# Altium PCB IoT_Greenhouse V1.0 A.PcbDoc (part 2 of 2)
Units mm, origin at the board's own origin, x right, y up, seen from the top; angles counter-clockwise.
Board outline 130 x 80 mm, 2 copper layers (Top Layer, Bottom Layer), stack 1.569 mm thick; 104 components, 51 nets, 380 pads, 257 vias.
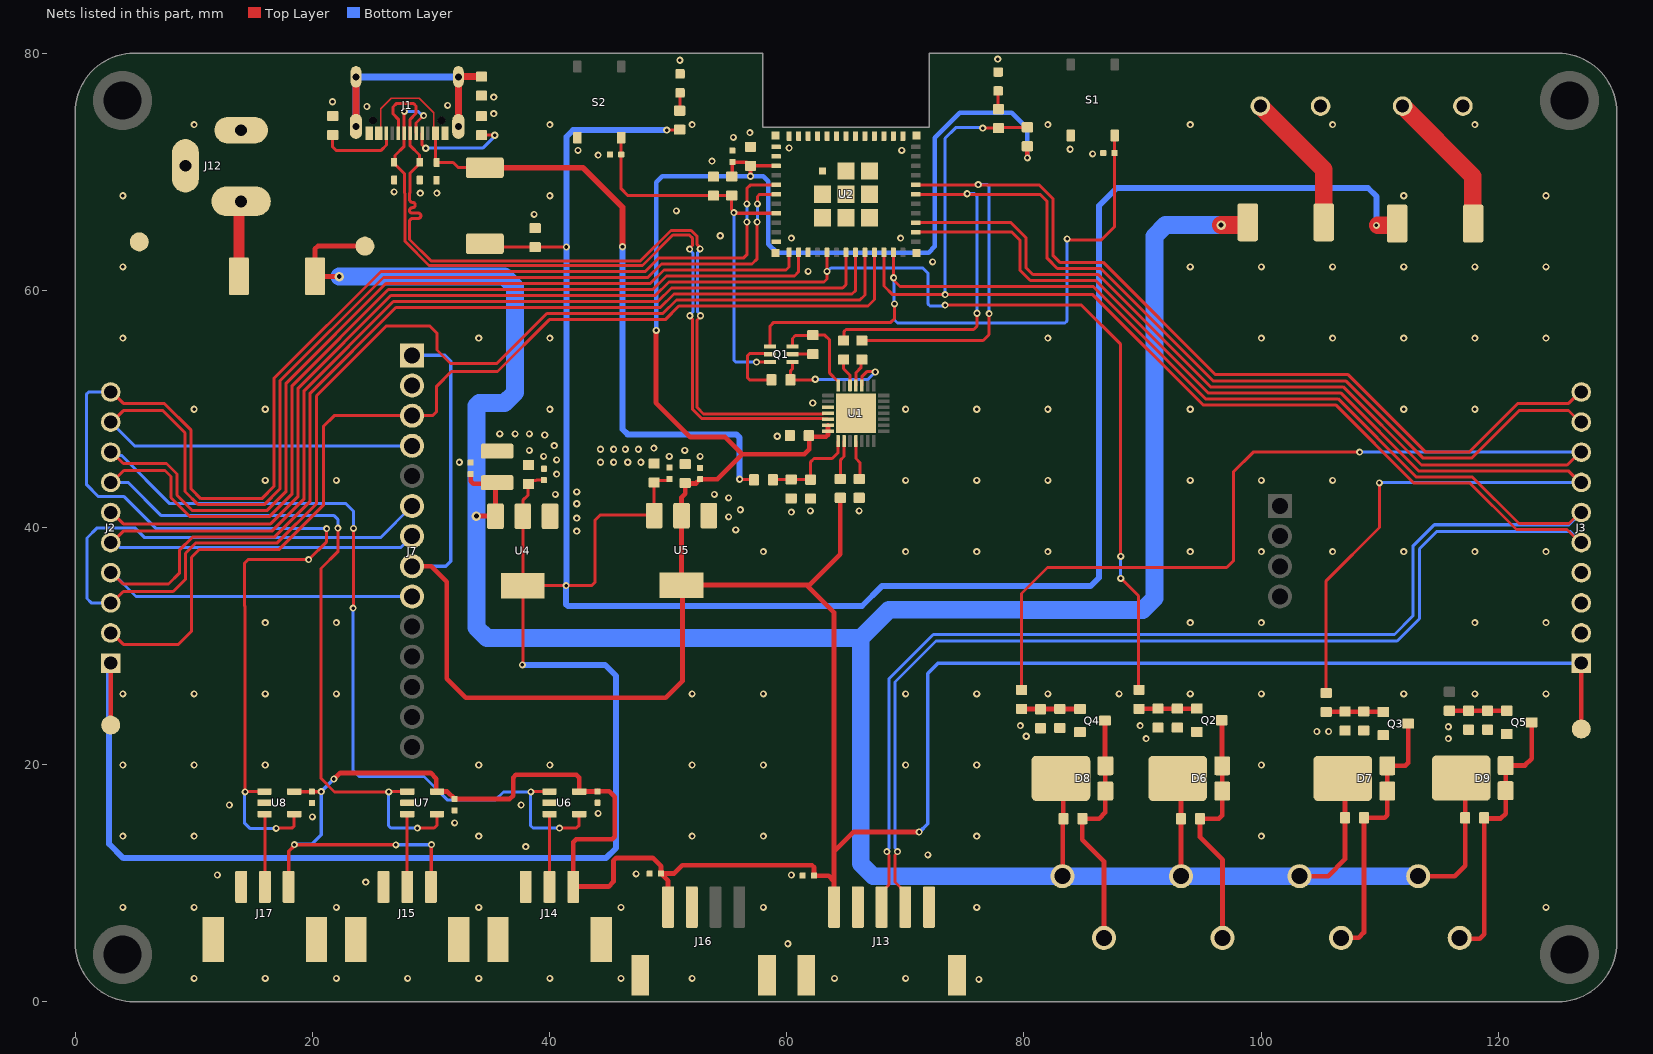
[diagram p2: the nets of this part, all layers, seen from the top]

## Via types
v1: diameter 0.6, hole 0.3, Top Layer to Bottom Layer, tented both sides, 254 vias
v2: diameter 0.8, hole 0.4, Top Layer to Bottom Layer, tented both sides, 3 vias

## Nets (pads, with @x,y where several pads share a name; then routed paths per layer and width w, separated by ;. In a path a pad name is that pad's centre, name@x,y a point inside that pad or via, vN(x,y) a via of type N, cw(c..) or ccw(c..) an arc to the next point about the centre after c; other vN are vias at no path point)
3V3: C2.2 C5.2 C6.2 C23.2 C24.2 C25.2 C26.2 C27.2 C28.2 C29.2 J3.1 J7.1 J7.8 J13.1 J14.1 J15.1 J16.1 J17.1 R10.2 R13.1 R14.1 TP3.1 U1.6 U1.7 U2.3 U5.2 U5.4 U6.5 U7.5 U8.5 | length 400.7
  Top Layer w0.3: J17.1@18,9.7 18,12.689 18.491,13.181 v1(18.491,13.259) v1@27.102,13.259 ; U8.5@18.49,17.758 U8.5@18.471,17.739 18.478,17.733 19.958,17.733 19.963,17.728 20.751,17.728 v1(20.752,17.729) ; J15.1@30,9.7 30.024,9.724 30.024,13.235 v1(30.048,13.259) ; R13.1@55.474,69.698 55.423,69.748 C6.2@55.423,70.818 56.577,70.818 56.947,70.448 v1(56.947,69.621) ; C5.2@57.136,70.499 59.099,70.499 U2.3@59.1,70.5
  Top Layer w0.4: v1(21.819,18.796) 21.863,18.796 22.371,19.304 29.972,19.304 30.455,18.821 30.455,17.796 30.514,17.737 31.384,17.737 C26.2@32.004,17.117 ; J7.8@28.41,36.73 30.021,36.73 31.344,35.408 31.344,27.254 32.944,25.654 49.809,25.654 51.206,27.051 51.206,35.073 U5.4@51.13,35.15 ; C26.2@32.029,17.063 32.029,17.088 32.058,17.117 36.65,17.117 36.932,17.399 36.932,18.917 37.166,19.152 42.265,19.152 42.5,18.917 U6.5@42.5,17.746 ; J14.1@42,9.7 42,13.482 42.234,13.716 45.288,13.716 45.491,13.919 45.491,17.297 45.037,17.752 44.066,17.752 C25.2@44.044,17.729 ; J14.1@42.113,9.728 44.983,9.728 45.39,10.135 45.39,11.907 45.624,12.141 48.692,12.141 49.4,11.433 C29.2@49.4,10.82 50,10.221 J16.1@50,8 ; U6.5@42.5,17.739 U6.5@42.5,17.746 ; C25.2@44.044,17.805 43.984,17.746 U6.5@42.5,17.746 ; v1@48.971,56.642 48.971,50.521 51.867,47.625 54.813,47.625 56.261,46.177 ; C29.2@49.479,10.795 49.504,10.82 50.495,10.82 51.206,11.532 62.128,11.532 62.304,11.356 C27.2@62.304,10.643 63.525,10.643 63.983,10.185 ; C24.2@51.435,43.586 51.435,42.85 51.13,42.545 U5.2@51.13,41 U5.4@51.13,35.15 ; C24.2@51.486,43.713 52.347,43.713 C23.2@52.705,44.072 54.155,44.072 56.261,46.177 ; C2.2@61.874,47.752 C2.2@61.9,47.727 ; U1.7@63.487,48.132 63.487,47.826 63.311,47.65 61.976,47.65 C2.2@61.9,47.727 ; U1.7@63.487,48.196 U1.6@63.487,48.632 ; J13.1@63.983,8.204 63.983,10.185 ; J13.1@64,8 J13.1@64,8.204 ; R10.2@64.516,42.507 64.516,37.744 61.921,35.15 61.675,35.15 ; v1(71.171,14.326) 65.659,14.326 63.983,12.649 ; v1(80.289,71.171) R14.1@80.289,72.149 ; TP3.1@127,23.012 J3.1@127,28.57 ; U5.4@51.13,35.15 61.675,35.15 ; 56.261,46.177 61.493,46.177 61.9,46.584 C2.2@61.9,47.727 ; 61.675,35.15 63.983,32.842 63.983,12.649 ; 63.983,10.185 63.983,12.649
  Bottom Layer w0.3: v1@18.466,13.284 19.939,13.284 20.752,14.097 v1(20.752,17.729) ; v1@20.803,17.704 20.803,17.78 v1(21.819,18.796) ; v1(27.051,13.233) v1@30.048,13.233 ; J7.8@28.41,36.73 31.244,36.73 31.674,37.16 31.674,54 31.164,54.51 J7.1@28.41,54.51 ; v1@71.196,14.326 71.882,15.011 71.882,27.686 72.766,28.57 J3.1@127,28.57
  Bottom Layer w0.4: v1(48.997,56.617) 48.997,69.113 49.505,69.621 v1(56.947,69.621) 58.014,69.621 58.445,69.19 58.445,63.906 59.182,63.17 71.958,63.17 72.492,63.703 72.492,72.873 74.6,74.981 78.969,74.981 80.289,73.66 v1(80.289,71.171)
5V: C1.2 C19.2 C20.2 C21.2 C22.2 D1.1 D12.1 J2.1 R23.1 TP2.1 U4.2 U4.4 U5.3 | length 286.7
  Top Layer w0.254: D1.1@34.544,63.927 34.831,63.64 C1.2@38.786,63.64 38.792,63.646 41.421,63.646 v1(41.427,63.652) ; U4.2@37.694,40.869 37.744,40.818 U4.4@37.744,35.099 ; v1@37.744,28.362 U4.4@37.744,35.099 ; U4.2@37.744,40.949 37.744,42.291 38.202,42.748 C19.2@38.202,43.764 ; C19.2@38.227,43.675 38.525,43.973 38.868,43.973 38.887,43.993 C20.2@39.472,43.993 ; U5.3@48.743,41.072 44.298,41.072 43.84,40.615 43.84,35.382 43.561,35.103 37.748,35.103 U4.4@37.744,35.099 ; U5.3@48.819,41.072 C21.2@48.819,43.802 ; C21.2@48.844,43.739 49.075,43.97 49.987,43.97 C22.2@50.114,44.097 ; v1(49.886,73.508) 49.905,73.527 50.959,73.527 R23.1@50.978,73.546 ; D12.1@111.332,65.489 D12.1@111.476,65.634
  Top Layer w0.4: TP2.1@2.997,23.343 3,23.345 J2.1@3,28.57
  Top Layer w1.5: v1@109.83,65.489 D12.1@111.332,65.489
  Bottom Layer w0.5: J2.1@2.87,28.702 2.87,13.31 4.064,12.116 44.755,12.116 45.618,12.979 45.618,27.483 44.679,28.423 v1(37.719,28.423) ; v1(49.886,73.508) 41.986,73.508 41.427,72.949 v1(41.427,63.652) 41.415,63.64 41.415,35.116 v1(41.402,35.103) 41.402,33.524 41.551,33.376 66.345,33.376 68.021,35.052 85.623,35.052 86.335,35.763 86.335,67.132 87.833,68.631 109.017,68.631 109.728,67.92 v1(109.728,65.481)
12V: C9.2 C10.2 C11.2 C15.2 C17.2 C18.2 D6.K D7.K D8.K D9.K D10.1 D11.1 J4.1 J5.1 J6.1 J8.1 TP1.1 U4.3 | length 266.5
  Top Layer w0.4: v2(22.276,61.163) 20.248,61.163 D11.1@20.223,61.189 20.223,63.494 20.457,63.729 TP1.1@24.435,63.729 ; C18.2@33.35,44.503 33.35,43.922 33.585,43.688 C17.2@35.484,43.688 ; v2(33.833,40.97) 34.976,40.97 U4.3@35.255,41.25 ; U4.3@35.444,41.25 35.444,43.639 C17.2@35.585,43.78 ; D8.K@83.118,18.845 83.325,18.638 C11.2@83.325,15.443 83.287,15.406 83.287,10.637 J6.1@83.25,10.6 ; D6.K@92.973,18.845 93.256,18.562 C9.2@93.256,15.443 93.253,15.44 93.253,10.603 J4.1@93.25,10.6 ; D10.1@98.649,65.507 D10.1@98.878,65.735 ; J5.1@103.25,10.6 105.647,10.6 107.074,12.027 C10.2@107.074,15.519 107.074,18.664 D7.K@106.892,18.845 ; J8.1@113.25,10.6 116.315,10.6 117.208,11.494 C15.2@117.208,15.519 117.208,18.537 D9.K@116.875,18.87
  Top Layer w1.5: v2(96.622,65.507) D10.1@98.649,65.507
  Bottom Layer w1.5: v2(22.276,61.163) 36.205,61.163 37.084,60.285 37.084,51.374 36.205,50.495 34.067,50.495 33.833,50.261 v2(33.833,40.97) 33.833,31.572 34.722,30.683 66.243,30.683 ; 79.883,33.045 90.018,33.045 91.008,34.036 91.008,64.567 91.948,65.507 v2(96.622,65.507) ; 79.934,33.071 68.631,33.071 66.243,30.683 ; J6.1@83.236,10.465 83.101,10.6 67.302,10.6 66.243,11.659 66.243,30.683 ; J6.1@83.25,10.6 93.099,10.6 J4.1@93.193,10.693 ; J4.1@93.25,10.6 103.132,10.6 J5.1@103.149,10.617 ; J5.1@103.25,10.6 J8.1@113.25,10.6 113.403,10.6 J8.1@113.462,10.541
CHIP_PU: C4.2 C8.1 Q1.3 R13.2 S2.3 U2.8 | length 34.3
  Top Layer w0.254: S2.3@46.047,72.869 46.047,71.451 46.048,68.557 46.622,67.983 C4.2@53.823,67.983 ; C4.2@53.975,67.945 54.02,67.99 55.366,67.99 R13.2@55.372,67.996 ; R13.2@55.347,67.894 55.347,66.802 55.649,66.5 U2.8@59.1,66.5 ; v1(57.455,53.95) 57.46,53.955 58.577,53.955 Q1.3@58.583,53.96
  Bottom Layer w0.254: v1(55.55,66.548) 55.55,54.098 55.699,53.95 v1(57.455,53.95)
DM_N: D2.1 J1.A7 J1.B7 U1.5 | length 68.1
  Top Layer w0.254: v1@27.737,75.108 27.75,75.095 J1.A7@27.75,73.25 27.75,72.149 26.966,71.366 26.966,70.871 D2.1@26.899,70.803 26.899,70.693 27.788,69.804 27.788,68.195 27.813,68.17 27.813,64.13 29.84,62.103 47.834,62.103 50.399,64.668 51.785,64.668 52.07,64.384 52.07,63.822 51.816,63.568 v1(51.816,63.475) ; J1.B7@28.75,73.25 28.75,74.114 v1@29.369,74.734 ; v1(51.841,57.861) 51.841,57.768 52.07,57.539 52.07,49.956 52.835,49.191 63.077,49.191 63.137,49.132 U1.5@63.487,49.132
  Bottom Layer w0.254: v1(27.762,75.082) 28.939,75.082 29.269,74.752 v1@29.413,74.752 ; v1(51.816,63.475) 51.816,63.426 52.089,63.153 52.089,60.487 52.095,60.48 52.095,58.189 51.841,57.935 v1(51.841,57.861)
  other v1: 29.388,74.727
DM_P: D3.1 J1.A6 J1.B6 U1.4 | length 71.2
  Top Layer w0.254: J1.B6@27.25,73.25 27.25,74.426 26.797,74.879 26.797,75.463 27.076,75.743 28.547,75.743 28.75,75.54 28.75,74.926 ; 28.753,74.905 28.729,74.905 28.25,74.426 J1.A6@28.25,73.25 28.25,72.182 29.028,71.404 29.028,70.833 D3.1@29.058,70.803 29.058,70.693 28.219,69.855 28.219,68.364 28.219,68.229 28.194,68.203 28.194,67.675 ccw(c28.448,67.675) 28.448,67.421 cw(c28.448,67.194) 28.448,66.967 28.421,66.967 ccw(c28.421,66.74) 28.421,66.513 28.927,66.513 cw(c28.927,66.286) 28.927,66.059 28.448,66.059 ccw(c28.448,65.805) 28.194,65.805 28.194,65.224 28.194,64.287 29.997,62.484 47.676,62.484 50.241,65.049 51.943,65.049 52.451,64.541 52.451,63.848 52.705,63.594 v1(52.705,63.5) ; v1(52.73,57.861) 52.73,57.787 52.451,57.508 52.451,50.114 52.993,49.572 63.077,49.572 63.137,49.632 U1.4@63.487,49.632
  Bottom Layer w0.254: v1(52.705,63.5) 52.705,63.406 52.47,63.171 52.47,60.645 52.476,60.638 52.476,58.189 52.73,57.935 v1(52.73,57.861)
DTR: Q1.6 R3.2 U1.28 | length 7.7
  Top Layer w0.254: Q1.6@60.493,55.26 60.493,55.946 60.731,56.185 R3.2@62.128,56.185 ; R3.2@62.205,56.223 63.208,56.223 63.627,55.804 63.627,53.01 U1.28@64.287,52.349
G_FAN: C12.2 Q2.1 R15.2 R18.2 | length 4.9
  Top Layer w0.4: R15.2@89.713,24.714 89.719,24.72 91.307,24.72 R18.2@91.313,24.727 C12.2@92.939,24.727 C12.2@92.939,24.727 94.58,24.728 Q2.1@94.581,24.729
G_HET: C13.2 Q3.1 R16.2 R19.2 | length 4.8
  Top Layer w0.4: R16.2@105.486,24.448 105.499,24.46 107.074,24.46 R19.2@107.086,24.473 C13.2@108.661,24.473 108.673,24.461 110.292,24.461 Q3.1@110.304,24.45
G_PUMP: C14.2 Q4.1 R17.2 R20.2 | length 4.9
  Top Layer w0.4: R17.2@79.807,24.702 79.82,24.689 81.394,24.689 R20.2@81.407,24.676 81.42,24.689 83.02,24.689 C14.2@83.033,24.701 C14.2@83.033,24.701 84.725,24.703 Q4.1@84.726,24.704
GND: C1.1 C2.1 C3.1 C4.1 C5.1 C6.1 C7.2 C8.2 C12.1 C13.1 C14.1 C16.1 C17.1 C18.1 C19.1 C20.1 C21.1 C22.1 C23.1 C24.1 C25.1 C26.1 C27.1 C28.1 C29.1 D2.2 D3.2 D4.2 D5.1 D13.1 J1.A1_B12 J1.B1_A12 J3.2 J3.3 J3.4 J7.2 J10.2 J11.2 J12.2 J12.3 J13.0 J13.2 J13.5 J14.3 J14.SH J15.3 J15.SH J16.0 J16.2 J17.3 J17.SH Q2.2 Q3.2 Q4.2 Q5.2 R5.1 R6.1 R7.1 R8.2 R11.1 R18.1 R19.1 R20.1 R22.1 S1.1 S2.1 TP4.1 U1.3 U1.29 U2.1 U2.2 U2.11 U2.14 U2.36 U2.37 U2.38 U2.39 U2.40 U2.41 U2.42 U2.43 U2.44 U2.45 U2.46 U2.47 U2.48 U2.49_1 U2.49_2 U2.49_3 U2.49_4 U2.49_5 U2.49_6 U2.49_7 U2.49_8 U2.49_9 U2.50 U2.51 U2.52 U2.53 U4.1 U5.1 U6.2 U7.2 U8.2
  other v1: 76.2,1.9 10.028,1.975 16.028,1.975 22.028,1.975 28.028,1.975 34.028,1.975 40.028,1.975 46.028,1.975 52.028,1.975 64.028,1.975 70.028,1.975 60.1,4.9 4.028,7.975 10.028,7.975 22.028,7.975 34.028,7.975 46.028,7.975 58.028,7.975 76.028,7.975 124.028,7.975 24.5,10.1 12,10.7 60.4,10.7 47.3,10.8 71.9,12.4 38,13.1 4.028,13.975 10.028,13.975 34.028,13.975 52.028,13.975 58.028,13.975 76.028,13.975 100.028,13.975 32,15.1 20,15.6 44.1,15.9 13,16.6 37.6,16.6 4.028,19.975 10.028,19.975 16.028,19.975 34.028,19.975 40.028,19.975 52.028,19.975 58.028,19.975 70.028,19.975 76.028,19.975 100.028,19.975 90.3,22.2 115.8,22.2 80.2,22.4 104.7,22.8 105.7,22.8 115.8,23.2 79.7,23.3 89.8,23.3 4.028,25.975 10.028,25.975 16.028,25.975 22.028,25.975 52.028,25.975 58.028,25.975 70.028,25.975 76.028,25.975 82.028,25.975 88.028,25.975 94.028,25.975 100.028,25.975 112.028,25.975 118.028,25.975 124.028,25.975 16.028,31.975 22.028,31.975 94.028,31.975 100.028,31.975 118.028,31.975 124.028,31.975 58.028,37.975 70.028,37.975 76.028,37.975 82.028,37.975 94.028,37.975 100.028,37.975 106.028,37.975 112.028,37.975 118.028,37.975 124.028,37.975 42.3,39.7 55.7,39.8 42.3,40.8 55.1,40.9 60.4,41.3 62,41.4 66.1,41.4 56.1,41.5 42.3,42 55.1,42.5 40.5,42.8 53.9,42.8 42.3,43 16.028,43.975 22.028,43.975 70.028,43.975 76.028,43.975 82.028,43.975 94.028,43.975 100.028,43.975 106.028,43.975 40.6,44.5 32.4,45.5 44.3,45.5 45.4,45.5 46.6,45.5 47.7,45.5 40.6,45.7 39.5,46 50.1,46 52.7,46 38.3,46.5 51.4,46.5 44.3,46.6 45.4,46.6 46.4,46.6 47.5,46.6 48.8,46.7 40.4,46.9 59.2,47.7 39.6,47.8 35.8,47.9 37.1,47.9 38.3,47.9 10.028,49.975 16.028,49.975 40.028,49.975 70.028,49.975 76.028,49.975 82.028,49.975 94.028,49.975 112.028,49.975 118.028,49.975 62.2,50.5 4.028,55.975 34.028,55.975 40.028,55.975 82.028,55.975 100.028,55.975 106.028,55.975 112.028,55.975 118.028,55.975 124.028,55.975 61.8,61.6 4.028,61.975 94.028,61.975 100.028,61.975 106.028,61.975 112.028,61.975 118.028,61.975 124.028,61.975 72.3,62.4 60.4,64.4 69.6,64.4 54.4,64.6 38.7,66.4 50.7,66.7 4.028,67.975 40.028,67.975 112.028,67.975 124.028,67.975 29.1,68.2 30.5,68.2 26.9,68.3 53.7,70.9 44.1,71.4 85.8,71.5 42.4,71.8 69.7,71.8 83.9,71.9 60.2,72 55.5,72.9 56.9,73.3 10.028,73.975 40.028,73.975 52.028,73.975 82.028,73.975 94.028,73.975 106.028,73.975 118.028,73.975 35.3,74.9 24.6,75.5 31.4,75.6 21.7,75.9 35.3,76.3 51,79.4 77.8,79.5
GPIO0_ADC1_0: J2.8 U2.12 U6.1 U6.4 | length 145.7
  Top Layer w0.254: J2.8@3.104,46.35 4.064,45.39 7.703,45.39 8.585,44.508 8.585,42.723 9.89,41.418 12.934,41.418 16.16,41.418 17.789,43.048 17.789,46.274 17.789,52.166 26.202,60.579 48.503,60.579 49.646,61.722 59.95,61.722 60.2,61.972 U2.12@60.2,63.2 ; v1(23.444,33.198) 23.457,33.211 23.457,40.018 v1@23.495,40.056 ; v1@38.448,17.722 U6.1@39.982,17.722 ; v1(40.843,14.656) 42.266,14.656 42.5,14.89 U6.4@42.5,15.839
  Bottom Layer w0.254: J2.8@3,46.35 3.267,46.083 3.904,46.083 7.976,42.012 22.835,42.012 23.47,41.377 v1(23.47,39.929) ; v1(23.444,33.198) 23.444,19.482 23.927,18.999 29.413,18.999 31.369,17.043 35.458,17.043 36.119,17.704 v1@38.405,17.704 ; v1(38.43,17.704) v1@38.405,17.704 ; v1(40.843,14.656) 38.608,14.656 38.405,14.859 v1@38.405,17.704
GPIO1_ADC1_1: J2.7 U2.13 U7.1 U7.4 | length 135.4
  Top Layer w0.254: J2.7@3,43.81 J2.7@3.198,44.008 ; J2.7@3.25,43.956 4.099,44.806 7.569,44.806 8.077,44.298 8.077,42.512 9.679,40.91 16.37,40.91 18.297,42.837 18.297,51.956 26.412,60.071 48.713,60.071 49.856,61.214 60.655,61.214 61,61.559 U2.13@61,63.2 ; 20.726,33.274 20.726,34.976 20.726,36.551 22.174,37.998 v1@22.174,39.98 ; 20.726,33.31 20.726,18.847 21.869,17.704 v1@26.416,17.704 ; v1(26.441,17.704) 26.459,17.722 27.993,17.722 U7.1@28.011,17.739 ; v1(28.854,14.656) 30.277,14.656 30.511,14.89 U7.4@30.511,15.839
  Bottom Layer w0.254: J2.7@3,43.81 4.45,43.81 7.264,40.996 21.844,40.996 22.149,40.691 v1(22.149,39.954) ; v1(26.441,17.704) 26.416,17.704 26.416,14.859 26.619,14.656 v1(28.854,14.656)
GPIO2_ADC1_2: J2.10 U2.5 U8.1 U8.4 | length 151.7
  Top Layer w0.254: J2.10@3,51.43 3.104,51.43 4.064,50.47 7.5,50.47 9.779,48.191 9.779,43.256 10.601,42.434 15.739,42.434 16.773,43.469 16.773,52.587 25.781,61.595 48.082,61.595 49.225,62.738 56.388,62.738 56.642,62.992 v1(56.642,65.761) ; 14.3,33.376 14.3,35.077 14.3,37.008 14.58,37.287 v1@19.634,37.287 ; v1@14.313,17.716 14.313,33.363 ; v1(14.326,17.704) 14.343,17.722 15.953,17.722 U8.1@15.971,17.739 ; v1@16.815,14.681 18.313,14.681 18.471,14.839 U8.4@18.471,15.839 ; v1(19.685,37.287) 21.209,38.811 v1(21.209,39.903) ; v1(56.642,67.285) 56.642,68.58 56.962,68.9 U2.5@59.1,68.9
  Bottom Layer w0.254: J2.10@3,51.43 1.143,51.43 0.94,51.227 0.94,43.637 1.973,42.604 4.132,42.604 6.833,39.903 v1(21.209,39.903) ; v1@14.313,17.716 v1(14.326,17.704) 14.3,17.678 14.3,15.062 14.732,14.63 v1(16.942,14.63) ; v1@19.634,37.287 v1@19.66,37.262 ; v1(56.642,65.761) v1(56.642,67.285)
GPIO3: J2.9 J7.4 U2.6 | length 108.1
  Top Layer w0.254: J2.9@3.104,48.89 4.064,49.85 7.401,49.85 9.271,47.981 9.271,43.046 10.391,41.926 15.949,41.926 17.281,43.258 17.281,52.377 25.991,61.087 48.293,61.087 49.436,62.23 57.074,62.23 57.506,62.662 v1(57.506,65.761) ; v1(57.531,67.285) 57.531,67.92 57.711,68.1 U2.6@59.1,68.1
  Bottom Layer w0.254: J2.9@3,48.89 5,46.89 J7.4@28.41,46.89 ; v1(57.506,65.761) 57.518,65.773 57.518,67.272 v1(57.531,67.285)
GPIO4_SCK: J2.5 J7.7 U2.18 | length 104.9
  Top Layer w0.254: J2.5@3.104,38.73 4.064,39.69 16.587,39.69 19.313,42.417 19.313,51.535 26.833,59.055 49.134,59.055 50.277,60.198 64.719,60.198 65,60.479 U2.18@65,63.2
  Bottom Layer w0.254: J2.5@3,38.73 3.378,38.73 3.779,38.329 27.469,38.329 J7.7@28.41,39.27
GPIO5_MISO: J2.4 J7.9 U2.19 | length 109.3
  Top Layer w0.254: J2.4@3.104,36.19 4.064,35.23 7.874,35.23 8.788,36.144 8.788,38.075 9.896,39.182 16.797,39.182 19.821,42.206 19.821,51.325 27.044,58.547 49.345,58.547 50.488,59.69 65.507,59.69 65.811,59.995 65.811,63.189 U2.19@65.8,63.2
  Bottom Layer w0.254: J2.4@3,36.19 3.129,36.19 5.129,34.19 J7.9@28.41,34.19
GPIO6_MOSI: J2.3 J7.6 U2.20 | length 124.4
  Top Layer w0.254: J2.3@3.104,33.65 4.064,34.61 8.27,34.61 9.296,35.636 9.296,37.821 10.15,38.674 17.008,38.674 20.347,42.014 20.347,51.107 26.213,56.972 29.921,56.972 30.505,56.388 30.505,54.966 31.648,53.823 35.56,53.823 39.776,58.039 49.555,58.039 50.698,59.182 66.167,59.182 66.599,59.614 66.599,61.29 66.6,61.291 U2.20@66.6,63.2
  Bottom Layer w0.254: J2.3@3,33.65 1.351,33.65 0.991,34.011 0.991,39.116 1.854,39.98 5.029,39.98 5.867,39.141 25.741,39.141 J7.6@28.41,41.81
GPIO7_SS: J2.2 J7.3 U2.21 | length 89.5
  Top Layer w0.254: J2.2@3.104,31.11 4.064,30.15 8.712,30.15 9.804,31.242 9.804,37.49 10.48,38.166 17.218,38.166 20.93,41.878 20.93,48.514 21.846,49.43 J7.3@28.41,49.43 30.126,49.43 30.48,49.784 30.48,51.918 31.725,53.162 35.618,53.162 39.987,57.531 49.766,57.531 50.909,58.674 66.853,58.674 67.4,59.221 U2.21@67.4,63.2
GPIO8_SDA: J3.5 J13.4 R12.1 R14.2 U2.22 | length 177.5
  Top Layer w0.254: U2.22@68.2,63.2 68.2,60.375 68.936,59.639 v1(73.355,59.639) 85.816,59.639 95.112,50.343 106.288,50.343 112.892,43.739 117.62,43.739 121.532,39.827 125.799,39.827 J3.5@126.896,38.73 ; v1(69.342,12.675) 69.342,12.581 69.139,12.378 69.139,10.111 70,9.25 J13.4@70,8 ; v1@76.581,73.66 76.6,73.679 77.845,73.679 R12.1@77.851,73.673 77.889,73.711 80.251,73.711 R14.2@80.289,73.749
  Bottom Layer w0.254: v1(69.342,12.675) 69.342,12.768 69.139,12.971 69.139,26.975 72.593,30.429 111.481,30.429 113.36,32.309 113.36,38.199 114.836,39.675 126.055,39.675 J3.5@127,38.73 ; v1(73.355,59.639) 73.355,72.822 74.244,73.711 v1@76.581,73.711
  other v1: 76.53,73.685
GPIO9_SCL: C7.1 J3.6 J13.3 Q1.1 S1.3 U2.23 | length 207.5
  Top Layer w0.254: Q1.1@58.583,55.26 58.583,56.982 58.903,57.302 68.783,57.302 69.088,57.607 v1(69.088,58.852) ; J13.3@68,8 68,9.25 68.631,9.881 68.631,12.403 v1@68.453,12.581 ; U2.23@69,63.2 69,60.87 69.545,60.325 85.849,60.325 95.323,50.851 106.499,50.851 113.103,44.247 117.831,44.247 121.742,40.335 125.961,40.335 J3.6@126.896,41.27 ; v1@83.49,64.262 86.538,64.262 87.653,65.377 C7.1@87.653,71.577 C7.1@87.653,71.577 87.654,73.049 S1.3@87.655,73.05
  Bottom Layer w0.254: v1(68.453,12.675) 68.453,12.768 68.631,12.946 68.631,27.257 72.362,30.988 111.249,30.988 112.801,32.54 112.801,38.43 114.605,40.234 125.964,40.234 J3.6@127,41.27 ; v1@69.012,61.036 69.05,60.998 69.05,58.89 v1(69.088,58.852) 69.088,57.506 69.342,57.252 83.468,57.252 83.617,57.4 v1@83.617,64.313
  other v1: 69.012,61.062 83.642,64.338
GPIO10: J2.6 R15.1 U2.16 | length 135.6
  Top Layer w0.254: J2.6@3.104,41.27 4.064,40.31 16.488,40.31 18.805,42.627 18.805,51.746 26.623,59.563 48.924,59.563 50.067,60.706 63.15,60.706 63.4,60.956 v1(63.4,61.595) U2.16@63.4,63.2 ; v1(73.355,58.75) 84.861,58.75 88.163,55.448 v1(88.163,37.567) ; v1@88.183,35.718 89.662,34.239 R15.1@89.662,26.365
  Top Layer w0.4: R15.1@89.662,26.365 R15.1@89.713,26.314
  Bottom Layer w0.254: v1(63.4,61.595) 63.442,61.595 63.722,61.874 71.476,61.874 71.933,61.417 71.933,58.833 72.082,58.684 v1@73.345,58.684 ; v1(88.163,35.712) v1@88.163,37.484
GPIO18: J3.7 R16.1 U2.26 | length 102.8
  Top Layer w0.254: U2.26@70.9,64.9 78.991,64.9 79.654,64.237 79.654,61.722 80.543,60.833 86.059,60.833 95.533,51.359 106.709,51.359 113.313,44.755 125.951,44.755 J3.7@126.896,43.81 ; R16.1@105.486,26.048 105.486,35.509 109.982,40.005 v1(109.982,43.764)
  Bottom Layer w0.254: v1(109.982,43.764) 110.005,43.787 126.977,43.787 J3.7@127,43.81
GPIO19: J3.8 R17.1 U2.27 | length 131
  Top Layer w0.254: U2.27@70.9,65.7 78.909,65.7 80.162,64.447 80.162,61.932 80.754,61.341 86.269,61.341 95.744,51.867 106.92,51.867 113.524,45.263 125.809,45.263 J3.8@126.896,46.35 ; R17.1@79.807,26.302 79.807,34.442 81.991,36.627 97.104,36.627 97.663,37.186 97.663,44.679 99.339,46.355 v1(108.306,46.355)
  Bottom Layer w0.254: v1@108.311,46.35 J3.8@127,46.35
NetC3_2: C3.2 R9.2 R11.2 U1.8 | length 8
  Top Layer w0.254: R9.2@59.03,44.018 59.068,44.056 R11.2@60.376,44.056 ; R11.2@60.427,44.018 60.452,44.043 61.989,44.043 C3.2@62.001,44.031 ; C3.2@62.027,44.094 62.027,45.542 62.306,45.822 63.83,45.822 64.337,46.328 U1.8@64.337,47.282
NetC9_1: C9.1 D6.A J4.2 Q2.3 | length 20.9
  Top Layer w0.4: Q2.3@96.681,23.749 96.702,23.728 96.702,19.931 D6.A@96.723,19.91 D6.A@96.723,17.78 96.723,15.723 96.444,15.443 C9.1@94.856,15.443 94.856,13.881 96.75,11.987 J4.2@96.75,5.4
NetC10_1: C10.1 D7.A J5.2 Q3.3 | length 23.2
  Top Layer w0.4: J5.2@106.75,5.4 108.219,5.4 108.674,5.855 C10.1@108.674,15.519 110.408,15.519 110.642,15.754 D7.A@110.642,17.78 D7.A@110.642,19.91 112.169,19.91 112.404,20.144 Q3.3@112.404,23.47
NetC11_1: C11.1 D8.A J6.2 Q4.3 | length 20.7
  Top Layer w0.4: J6.2@86.75,5.4 86.75,11.853 84.925,13.678 C11.1@84.925,15.443 86.335,15.443 86.868,15.977 D8.A@86.868,17.78 D8.A@86.868,19.91 86.847,19.931 86.847,23.703 Q4.3@86.826,23.724
NetC15_1: C15.1 D9.A J8.2 Q5.3 | length 23.6
  Top Layer w0.4: J8.2@116.75,5.4 116.816,5.334 118.44,5.334 118.808,5.702 C15.1@118.808,15.519 118.859,15.469 120.218,15.469 120.625,15.875 D9.A@120.625,17.805 D9.A@120.625,19.935 122.247,19.935 122.818,20.506 Q5.3@122.818,23.571
NetC16_2: C16.2 Q5.1 R21.2 R22.2 | length 4.8
  Top Layer w0.4: R21.2@115.875,24.549 R22.2@117.5,24.549 ; R22.2@117.5,24.549 C16.2@119.101,24.549 C16.2@119.101,24.549 120.716,24.55 Q5.1@120.718,24.551
NetD5_2: D5.2 R12.2 | length 1.5
  Top Layer w0.254: D5.2@77.826,76.81 77.826,75.298 R12.2@77.851,75.273
NetD10_2: D10.2 J10.1 | length 12
  Top Layer w1.5: J10.1@99.937,75.534 105.288,70.184 D10.2@105.288,65.735
NetD11_2: D11.2 J12.1 | length 6.4
  Top Layer w0.9: D11.2@13.813,61.189 13.813,67.313 J12.1@14,67.5
NetD12_2: D12.2 J11.1 | length 12.4
  Top Layer w0.9: D12.2@117.856,65.664 D12.2@117.886,65.634
  Top Layer w1.5: J11.1@111.937,75.534 117.856,69.615 D12.2@117.856,65.664
NetD13_2: D13.2 R23.2 | length 1.5
  Top Layer w0.254: R23.2@50.978,75.146 51.003,75.171 D13.2@51.003,76.645
NetJ1_A5: J1.A5 R6.2 | length 8.9
  Top Layer w0.254: J1.A5@29.25,73.25 29.25,72.274 v1@29.616,71.907 ; R6.2@34.265,73.089 34.271,73.082 35.376,73.082 v1(35.382,73.076)
  Bottom Layer w0.254: v1(29.566,71.984) 34.366,71.984 35.382,73 v1(35.382,73.076)
NetJ1_B5: J1.B5 R5.2 | length 6.8
  Top Layer w0.254: R5.2@21.717,73.089 21.717,72.085 21.996,71.806 25.806,71.806 26.25,72.249 J1.B5@26.25,73.25
NetJ1_SH1: J1.SH1 J1.SH2 J1.SH3 J1.SH4 R7.2 | length 27.5
  Top Layer w0.254: J1.SH3@32.233,78.003 J1.SH3@32.245,78.016
  Top Layer w0.6: J1.SH2@23.68,73.82 J1.SH4@23.68,78 ; J1.SH3@32.245,78.016 R7.2@34.265,78.016 ; J1.SH1@32.32,73.82 J1.SH3@32.32,78
  Bottom Layer w0.3: J1.SH4@23.597,78.054 J1.SH4@23.68,77.971 ; J1.SH3@32.128,78 J1.SH3@32.182,78.054 ; J1.SH1@32.233,73.736 J1.SH1@32.32,73.824
  Bottom Layer w0.6: J1.SH2@23.68,73.82 J1.SH4@23.68,77.971 ; J1.SH4@23.68,78 J1.SH3@32.128,78 ; J1.SH1@32.32,73.824 J1.SH3@32.32,78
NetJ14_2: J14.2 U6.3 | length 6.1
  Top Layer w0.254: J14.2@40,9.7 U6.3@40,15.839
NetJ15_2: J15.2 U7.3 | length 6.1
  Top Layer w0.254: J15.2@28,9.7 28,15.829 U7.3@28.011,15.839
NetJ17_2: J17.2 U8.3 | length 6.2
  Top Layer w0.254: U8.3@15.971,15.839 16,15.811 J17.2@16,9.7
NetQ1_2: Q1.2 R4.1 | length 5.9
  Top Layer w0.254: Q1.2@58.598,54.61 58.545,54.663 56.863,54.663 56.715,54.514 56.715,52.6 56.863,52.451 R4.1@58.712,52.451
NetQ1_5: Q1.5 R3.1 | length 1.9
  Top Layer w0.254: Q1.5@60.493,54.61 60.499,54.616 62.363,54.616 R3.1@62.382,54.635
NetR1_2: R1.2 U1.26 | length 2.4
  Top Layer w0.254: R1.2@64.795,54.204 R1.2@64.795,54.166 64.795,53.391 65.337,52.849 U1.26@65.337,51.982
NetR2_2: R2.2 U1.25 | length 2.4
  Top Layer w0.254: U1.25@65.837,51.982 65.837,53.061 66.285,53.508 66.285,54.169 R2.2@66.294,54.178
NetR8_1: R8.1 U1.11 | length 3.2
  Top Layer w0.254: U1.11@65.837,47.282 65.837,45.822 66.167,45.491 R8.1@66.167,44.196
NetR10_1: R10.1 U1.9 | length 3.3
  Top Layer w0.254: R10.1@64.516,44.107 64.516,45.669 64.837,45.99 U1.9@64.837,47.282
RTS: Q1.4 R4.2 U1.24 | length 11.1
  Top Layer w0.254: R4.2@60.223,52.349 60.3,52.426 60.3,53.188 60.493,53.381 Q1.4@60.493,53.96 ; R4.2@60.312,52.451 62.408,52.451 v1@62.433,52.476 ; U1.24@66.337,51.982 66.337,52.722 66.751,53.137 v1@67.412,53.137
  Bottom Layer w0.254: v1(62.408,52.502) 66.853,52.502 v1@67.437,53.086
  other v1: 67.462,53.111
UART_RXD: J3.9 R1.1 U2.30 | length 94.2
  Top Layer w0.254: R1.1@64.795,55.766 64.846,55.816 64.846,56.544 64.995,56.693 75.768,56.693 76.048,56.972 v1(76.048,58.064) v1@76.048,58.115 ; U2.30@70.9,68.1 81.354,68.1 81.966,67.488 81.966,62.705 82.822,61.849 86.48,61.849 95.954,52.375 107.13,52.375 113.632,45.872 117.78,45.872 121.768,49.86 125.926,49.86 J3.9@126.896,48.89
  Bottom Layer w0.254: v1(75.209,68.148) 75.844,68.148 76.048,67.945 v1(76.048,58.064)
UART_TXD: J3.10 R2.1 U2.31 | length 94.6
  Top Layer w0.254: R2.1@66.345,55.766 76.568,55.766 77.064,56.261 v1(77.064,58.039) ; U2.31@70.9,68.9 81.272,68.9 82.474,67.698 82.474,62.916 83.033,62.357 86.69,62.357 96.164,52.883 107.34,52.883 113.843,46.38 117.569,46.38 121.659,50.47 125.936,50.47 J3.10@126.896,51.43
  Bottom Layer w0.254: v1(76.149,68.91) 76.915,68.91 77.064,68.761 v1(77.064,58.039)
VBUS: D1.2 D4.1 J1.A4_B9 J1.B4_A9 R9.1 | length 62.8
  Top Layer w0.15: J1.B4_A9@25.6,73.25 25.771,73.421 25.771,75.301 26.669,76.199 29.008,76.199 30.229,74.978 30.229,73.421 J1.A4_B9@30.4,73.25
  Top Layer w0.254: J1.A4_B9@30.4,73.25 30.4,70.858 D4.1@30.48,70.778 31.879,70.778 32.32,70.337 D1.2@34.544,70.337 ; v1(56.032,44.069) 57.188,44.069 R9.1@57.239,44.018
  Top Layer w0.5: D1.2@34.544,70.337 42.82,70.337 46.152,67.005 v1(46.152,63.678)
  Bottom Layer w0.254: v1@56.032,43.942 v1(56.032,44.069)
  Bottom Layer w0.5: v1(46.152,63.678) 46.152,48.285 46.584,47.854 55.753,47.854 56.032,47.574 v1(56.032,44.069)
pads on no net: H1.1 H2.1 H3.1 H4.1 J1. J1.A8 J1.B8 J7.5 J7.10 J7.11 J7.12 J7.13 J7.14 J9.1 J9.2 J9.3 J9.4 J16.3 J16.4 R21.1 S1.2 S1.4 S2.2 S2.4 U1.1 U1.2 U1.10 U1.12 U1.13 U1.14 U1.15 U1.16 U1.17 U1.18 U1.19 U1.20 U1.21 U1.22 U1.23 U1.27 U2.4 U2.7 U2.9 U2.10 U2.15 U2.17 U2.24 U2.25 U2.28 U2.29 U2.32 U2.33 U2.34 U2.35

## Polygon pours and split planes (outlines as drawn)
GND on Top Layer "GND_L01_P019" (solid, pour order 19): 0,0 0.1,0 130,0 130,80 0,80
5V on Top Layer "5V_L01_P016" (solid, remove dead copper, pour order 16): 31.115,65.126 31.115,63.017 31.344,62.789 41.58,62.789 41.758,62.967 41.758,64.135 41.427,64.465 37.617,64.465 36.779,65.303 31.293,65.303
VBUS on Top Layer "VBUS_L01_P015" (solid, remove dead copper, pour order 15): 25.171,72.466 25.197,72.441 25.959,72.441 25.959,75.235 26.721,75.997 28.905,75.997 30.048,74.854 30.048,70.206 30.226,70.028 31.064,70.028 31.369,69.723 31.369,68.707 32.233,67.843 37.516,67.843 37.694,68.021 37.694,71.603 37.186,72.111 31.191,72.111 30.785,72.517 30.785,77.292 30.505,77.572 25.451,77.572 25.171,77.292
NetC15_1 on Top Layer "NETC15_1_L01_P014" (solid, remove dead copper, pour order 14): 122.174,25.248 122.174,21.412 119.71,21.412 119.71,16.891 119.38,16.561 118.237,16.561 118.11,16.434 118.11,14.961 117.881,14.732 117.881,9.169 116.586,7.874 115.773,7.874 115.265,7.366 115.265,-0.025 120.726,-0.025 120.726,6.756 124.231,10.262 124.231,20.015 124.231,25.248
NetC10_1 on Top Layer "NETC10_1_L01_P013" (solid, remove dead copper, pour order 13): 111.76,25.07 111.76,21.539 109.83,21.539 109.83,16.993 109.398,16.561 108.382,16.561 108.077,16.256 108.077,10.744 105.131,7.798 105.131,-0.051 110.871,-0.051 110.871,13.411 113.614,13.411 113.614,25.07
NetC9_1 on Top Layer "NetC11_1" (solid, remove dead copper, pour order 12): 96.106,25.4 96.106,16.662 95.903,16.459 94.48,16.459 94.252,16.231 94.252,11.963 95.293,10.922 95.293,0 99.103,0 99.103,22.911 98.519,23.495 98.519,25.375 98.494,25.4
NetC11_1 on Top Layer "NetC11_1" (solid, remove dead copper, pour order 11): 86.106,25.4 86.106,16.662 85.903,16.459 84.48,16.459 84.252,16.231 84.252,11.963 85.293,10.922 85.293,0 89.103,0 89.103,22.911 88.519,23.495 88.519,25.375 88.494,25.4
12V on Top Layer "12V_L01_P010" (solid, remove dead copper, pour order 10): 114.021,21.438 114.021,13.03 111.277,13.03 111.277,-0.025 111.303,-0.051 114.986,-0.051 114.986,7.468 115.57,8.052 116.383,8.052 117.678,9.347 117.678,14.808 117.881,15.011 117.881,16.612 118.008,16.739 119.202,16.739 119.431,16.967 119.431,21.438
12V on Top Layer "12V_L01_P009" (solid, remove dead copper, pour order 9): 103.988,21.539 103.988,13.335 103.81,13.157 99.492,13.157 99.492,-0.051 99.517,-0.025 104.724,-0.025 104.724,7.95 107.747,10.973 107.747,16.358 108.255,16.866 109.245,16.866 109.576,17.196 109.576,21.539
12V on Top Layer "12V_L01_P008" (solid, remove dead copper, pour order 8): 89.477,21.463 89.477,21.438 89.477,-0.025 94.938,-0.025 94.938,10.871 93.998,11.811 93.998,16.485 94.226,16.713 95.496,16.713 95.7,16.916 95.7,21.438 95.725,21.463
12V on Top Layer "12V_L01_P007" (solid, remove dead copper, pour order 7): 79.477,21.463 79.477,21.438 79.477,-0.025 84.938,-0.025 84.938,10.871 83.998,11.811 83.998,16.485 84.226,16.713 85.496,16.713 85.7,16.916 85.7,21.438 85.725,21.463
3V3 on Top Layer "3V3_L01_P006" (solid, remove dead copper, pour order 6): 50.749,44.399 50.749,43.231 50.317,42.799 50.317,39.675 50.013,39.37 48.082,39.37 47.727,39.014 47.727,28.981 48.489,28.219 54.915,28.219 55.524,28.829 55.524,38.913 54.966,39.472 52.553,39.472 52.324,39.7 52.324,42.52 53.188,43.383 53.188,44.552 50.902,44.552
5V on Top Layer "5V_L01_P005" (solid, remove dead copper, pour order 5): 41.504,39.014 41.3,38.811 41.3,28.118 46.38,28.118 47.269,29.007 47.269,39.395 47.625,39.751 49.657,39.751 49.809,39.903 49.809,42.799 50.444,43.434 50.444,44.425 50.317,44.552 43.917,44.552 43.612,44.247 43.612,39.141 43.485,39.014
5V on Top Layer "5V_L01_P004" (solid, remove dead copper, pour order 4): 37.465,44.272 37.465,42.824 36.855,42.215 36.855,39.192 36.525,38.862 33.35,38.862 33.147,38.659 33.147,28.423 33.477,28.092 41.326,28.092 41.961,28.727 41.961,38.71 41.656,39.014 39.091,39.014 38.684,39.421 38.684,41.986 39.548,42.85 40.044,43.346 40.044,44.45 37.643,44.45
12V on Top Layer "12V_L01_P002" (solid, remove dead copper, pour order 2): 31.902,39.522 32.106,39.319 36.195,39.319 36.398,39.522 36.398,42.393 37.084,43.078 37.084,44.856 36.855,45.085 34.392,45.085 34.214,44.907 32.029,44.907 31.902,44.78
12V on Top Layer "12V_L01_P001" (solid, remove dead copper, pour order 1): 17.247,68.377 17.247,56.54 17.78,56.007 19.355,56.007 25.476,62.128 26.441,62.128 27.28,62.967 27.28,66.853 24.968,69.164 22.377,69.164 18.034,69.164
NetD11_2 on Top Layer "NETD11_2_L01_P000" (solid, remove dead copper, pour order 0): 7.95,67.183 7.95,56.49 8.534,55.905 16.154,55.905 16.764,56.515 16.764,68.402 15.824,69.342 11.887,69.342 9.982,67.437 8.204,67.437
GND on Bottom Layer "GND_L02_P021" (solid, pour order 21): 0,0 0.1,0 130,0 130,80 0,80

## Silkscreen, mask and mechanical layers (free items; w line width, h text height)
Top Overlay:
  text "12V" at 20.12,76.883 h1 r90
  text "EN" at 40.821,75.054 h1 r90
  text "BOOT" at 90.224,74.317 h1 r90
  text "5V" at 110.969,69.821 h1
  text "12V" at 98.676,69.796 h1
  text "GND" at 115.668,69.796 h1
  text "GND" at 103.654,69.771 h1
  text "GND" at 4.086,61.49 h1
  text "12V" at 23.06,61.135 h1
  text "IOT GreenHouse" at 108.353,57.883 h1.2
  text "V1.0 Rev A" at 110.715,55.445 h1.2
  text "IO2_ADC1_2" at 4.823,50.938 h1
  text "TX" at 123.161,50.873 h1
  text "IO3" at 4.797,48.282 h1
  text "RX" at 123.263,48.231 h1
  text "IO0_ADC1_0" at 4.721,45.909 h1
  text "IO19" at 121.688,45.666 h1
  text "IO1_ADC1_1" at 4.797,43.293 h1
  text "IO18" at 121.714,43.202 h1
  text "IO10" at 4.823,40.84 h1
  text "I09_SCL" at 118.64,40.778 h1
  text "IO4_SCK" at 4.823,38.34 h1
  text "I08_SDA" at 118.513,38.263 h1
  text "IO5_MISO" at 4.848,35.876 h1
  text "GND" at 122.45,35.608 h1
  text "IO6_MOSI" at 4.848,33.209 h1
  text "GND" at 122.476,33.093 h1
  text "IO7_SS" at 4.95,30.491 h1
  text "GND" at 122.425,30.426 h1
  text "5V" at 5.051,27.988 h1
  text "3V3" at 122.501,27.937 h1
  text "5V" at 2.105,20.876 h1
  text "3V3" at 125.778,20.52 h1
  text "V+" at 82.217,13.23 h1
  text "PUMP" at 84.96,13.23 h1
  text "FAN" at 95.475,13.205 h1
  text "V+" at 102.384,13.179 h1
  text "LAMP" at 115.135,13.179 h1
  text "V+" at 92.453,13.154 h1
  text "HEAT" at 105.026,13.154 h1
  text "V+" at 112.493,13.154 h1
  text "3V3" at 30.458,12.214 h1 r90
  text "3V3" at 18.545,12.113 h1 r90
  text "3V3" at 42.574,12.087 h1 r90
  text "SOIL" at 21.587,11.528 h1
  text "AIN" at 28.502,11.528 h1 r90
  text "AIN" at 16.462,11.503 h1 r90
  text "GND" at 26.597,11.478 h1 r90
  text "AIN" at 40.643,11.478 h1 r90
  text "GND" at 14.557,11.452 h1 r90
  text "PH" at 10.893,11.401 h1
  text "GND" at 38.941,11.401 h1 r90
  text "TEMP-HU" at 30.807,11.325 h1
  text "GND" at 53.064,10.487 h1 r90
  text "3V3" at 51.489,10.462 h1 r90
  text "3V3" at 64.494,10.309 h1 r90
  text "SDA" at 70.514,10.309 h1 r90
  text "GND" at 72.546,10.309 h1 r90
  text "BRIG" at 73.708,10.309 h1
  text "CO2" at 56.283,10.284 h1
  text "SCL" at 68.507,10.284 h1 r90
  text "GND" at 66.5,10.233 h1 r90
Board:
  lines w0.2: 0,5 ccw(c5,5) 5,0 125,0 ccw(c125,5) 130,5 130,75 ccw(c125,75) 125,80 72,80 72,73.75 58,73.75 58,80 5,80 ccw(c5,75) 0,75 0,59 0,21 0,5

## Dimensions
0,5 to 130,0 on Drill Drawing
-1,0 to -1,80 on Drill Drawing